# Altium PCB carrier.PcbDoc (part 1 of 5)
Units mm, origin at the board's own origin, x right, y up, seen from the top; angles counter-clockwise.
Board outline 140 x 87 mm, 4 copper layers (Component Side, Power_layer1, Power_layer2, Solder Side), stack 1.674 mm thick; 384 components, 416 nets, 1916 pads, 853 vias.
Unrouted connection lines stored in the file: 26.
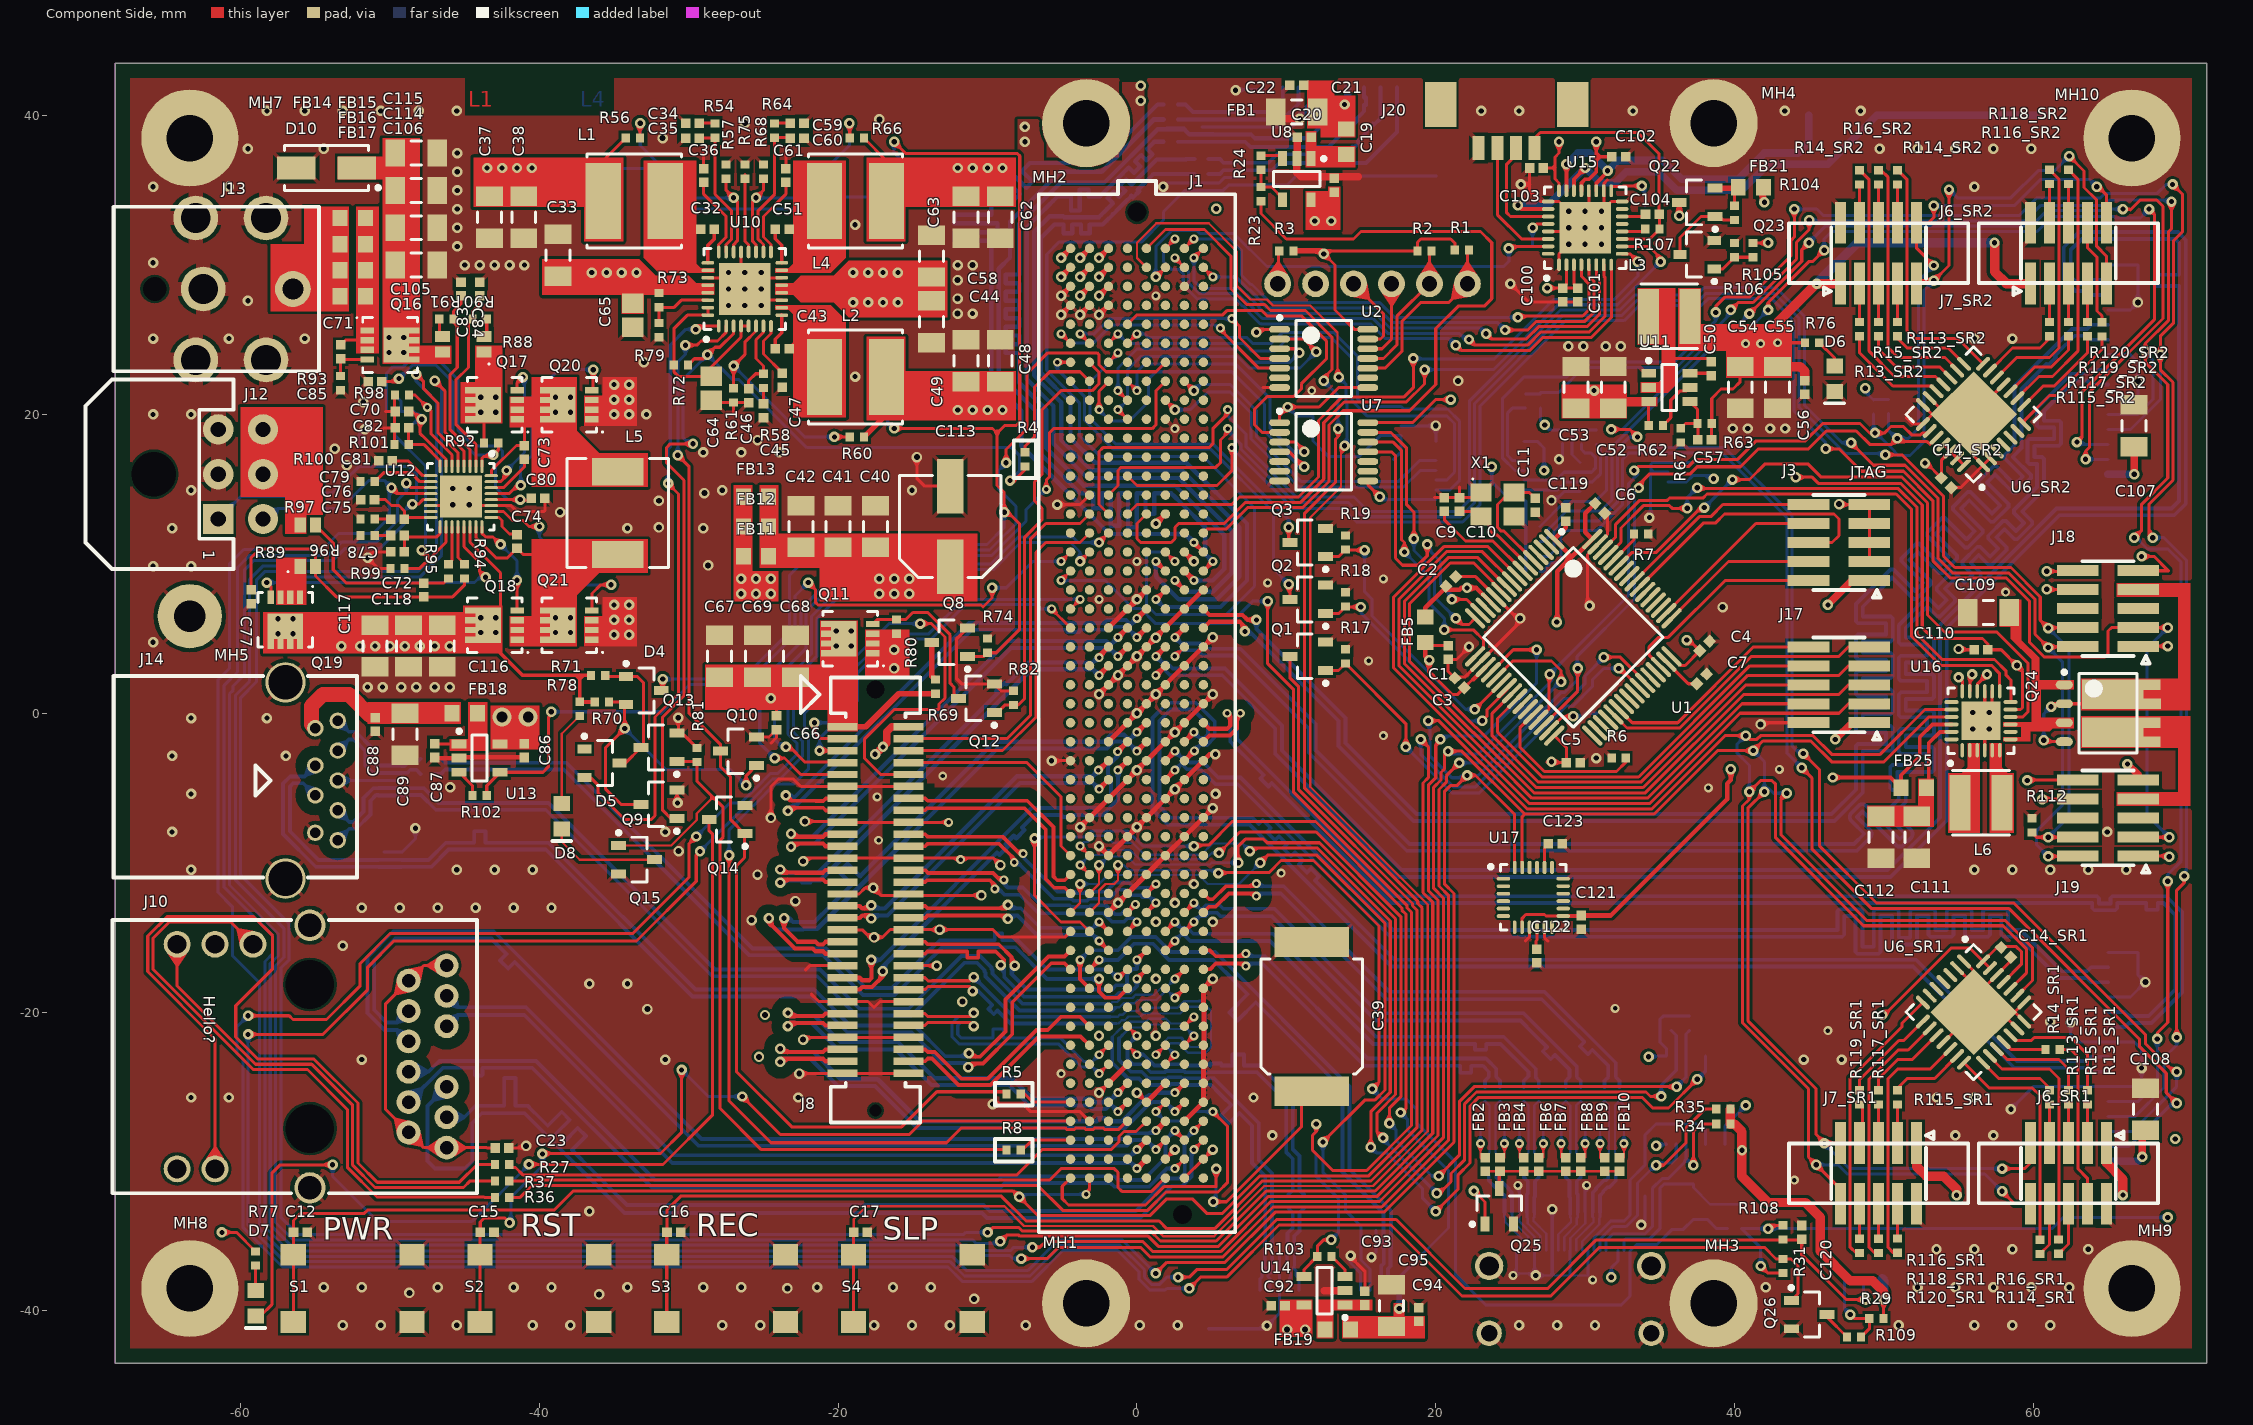
[diagram p0: Component Side view]
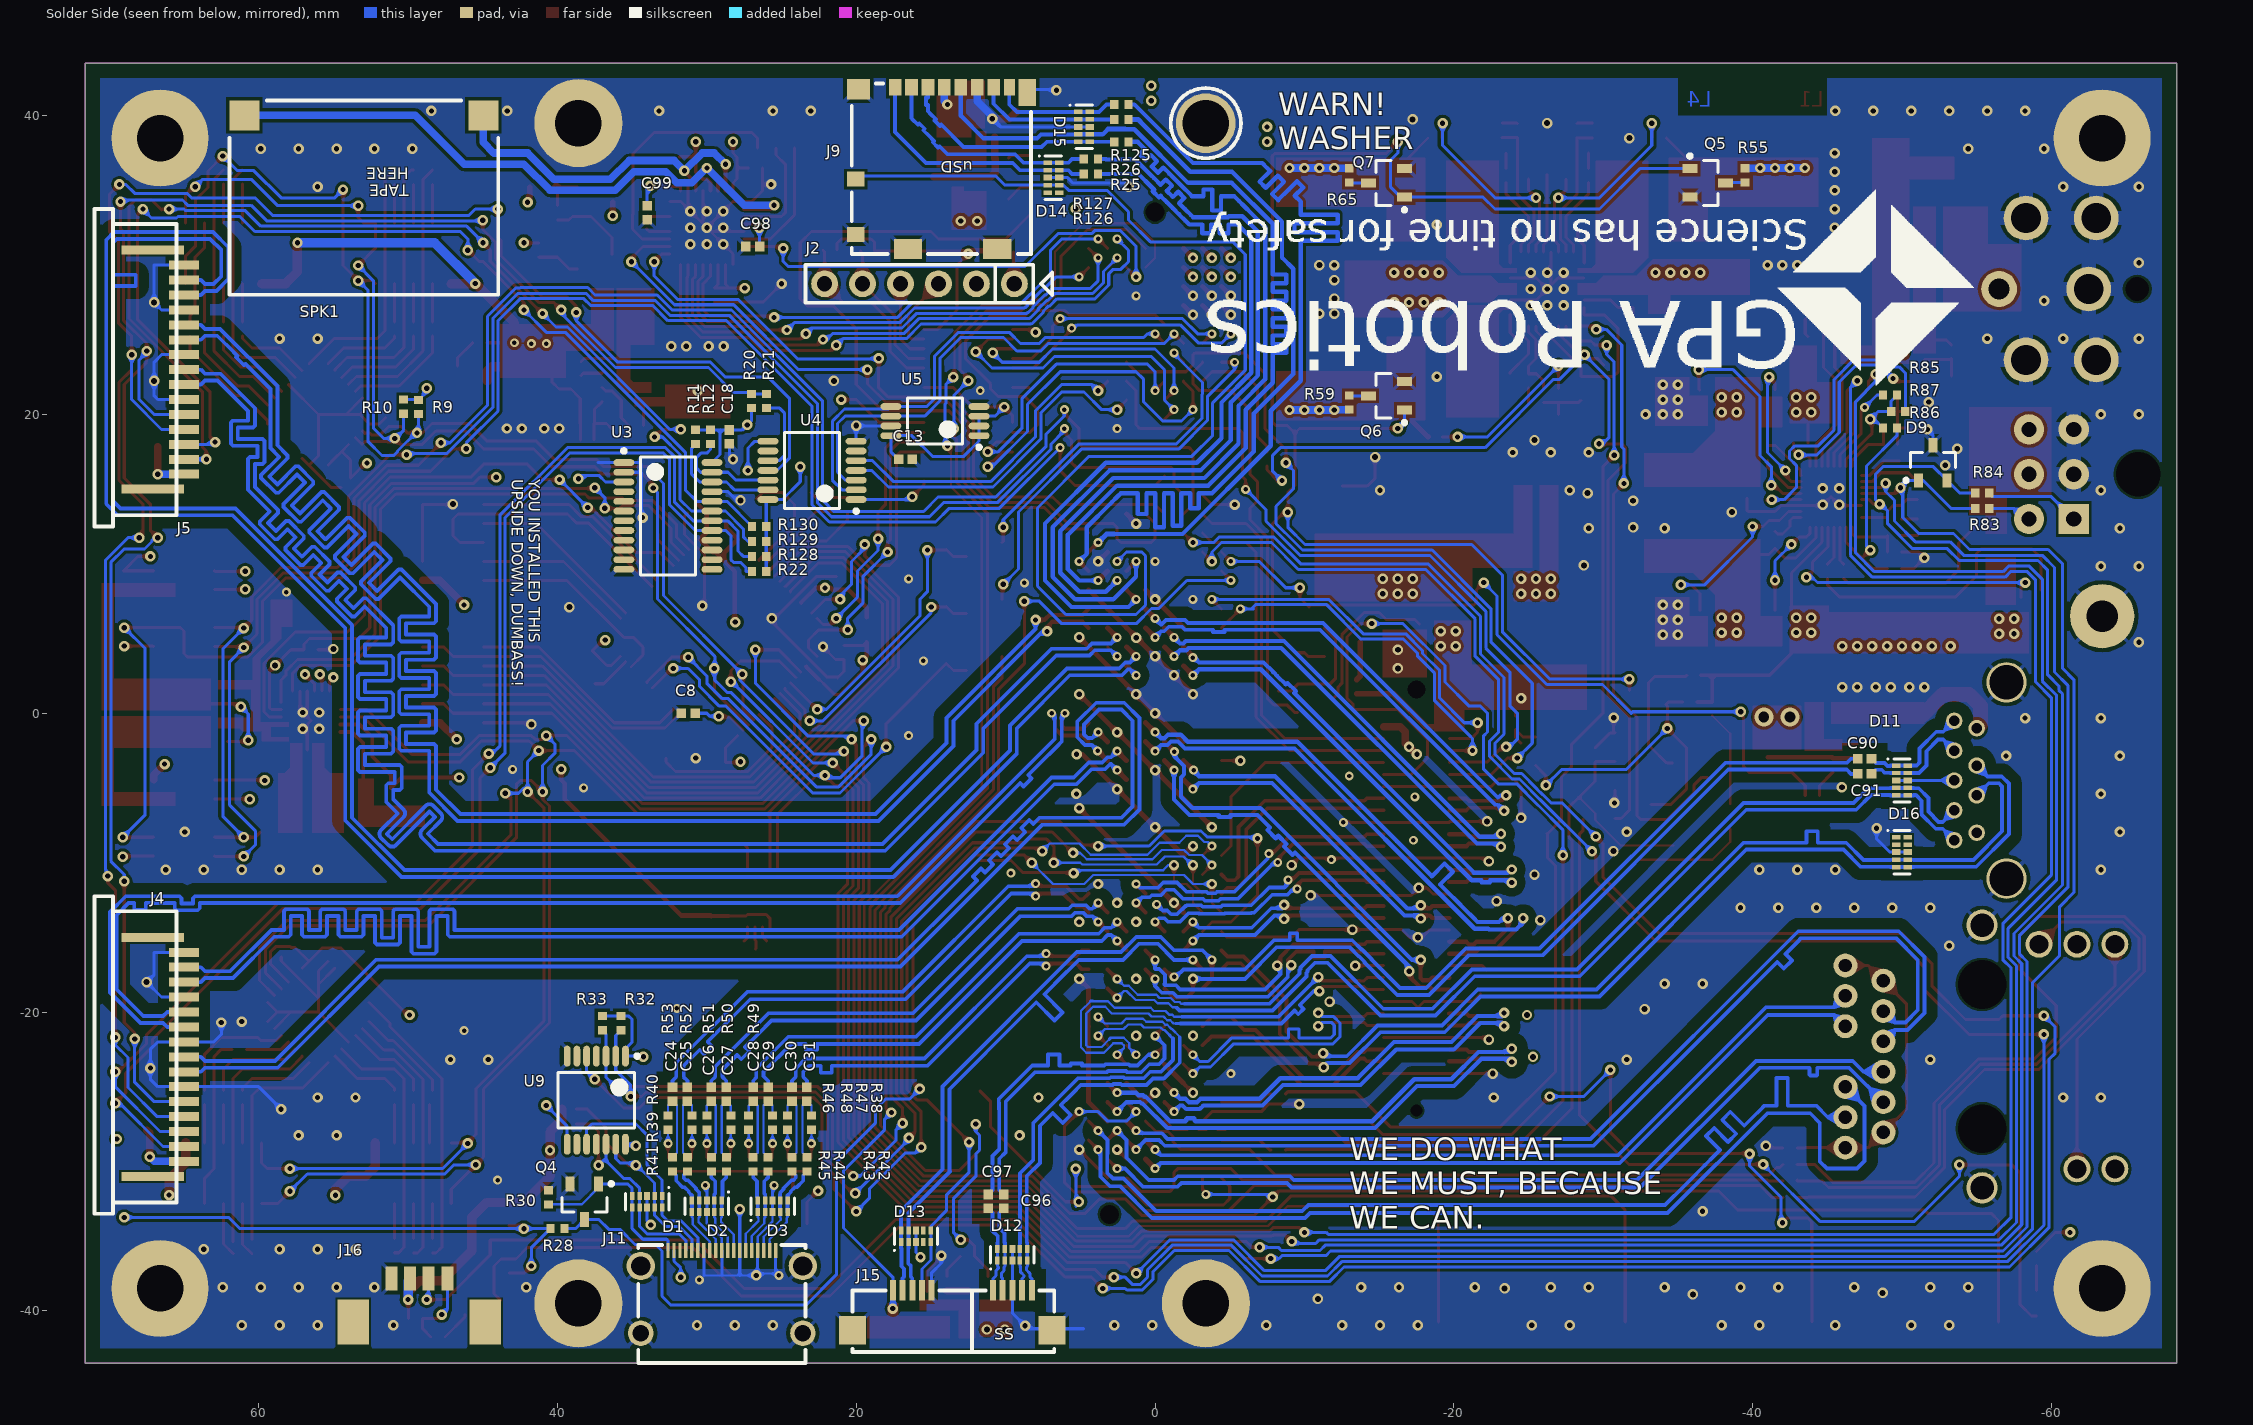
[diagram p1: Solder Side view, seen from below]
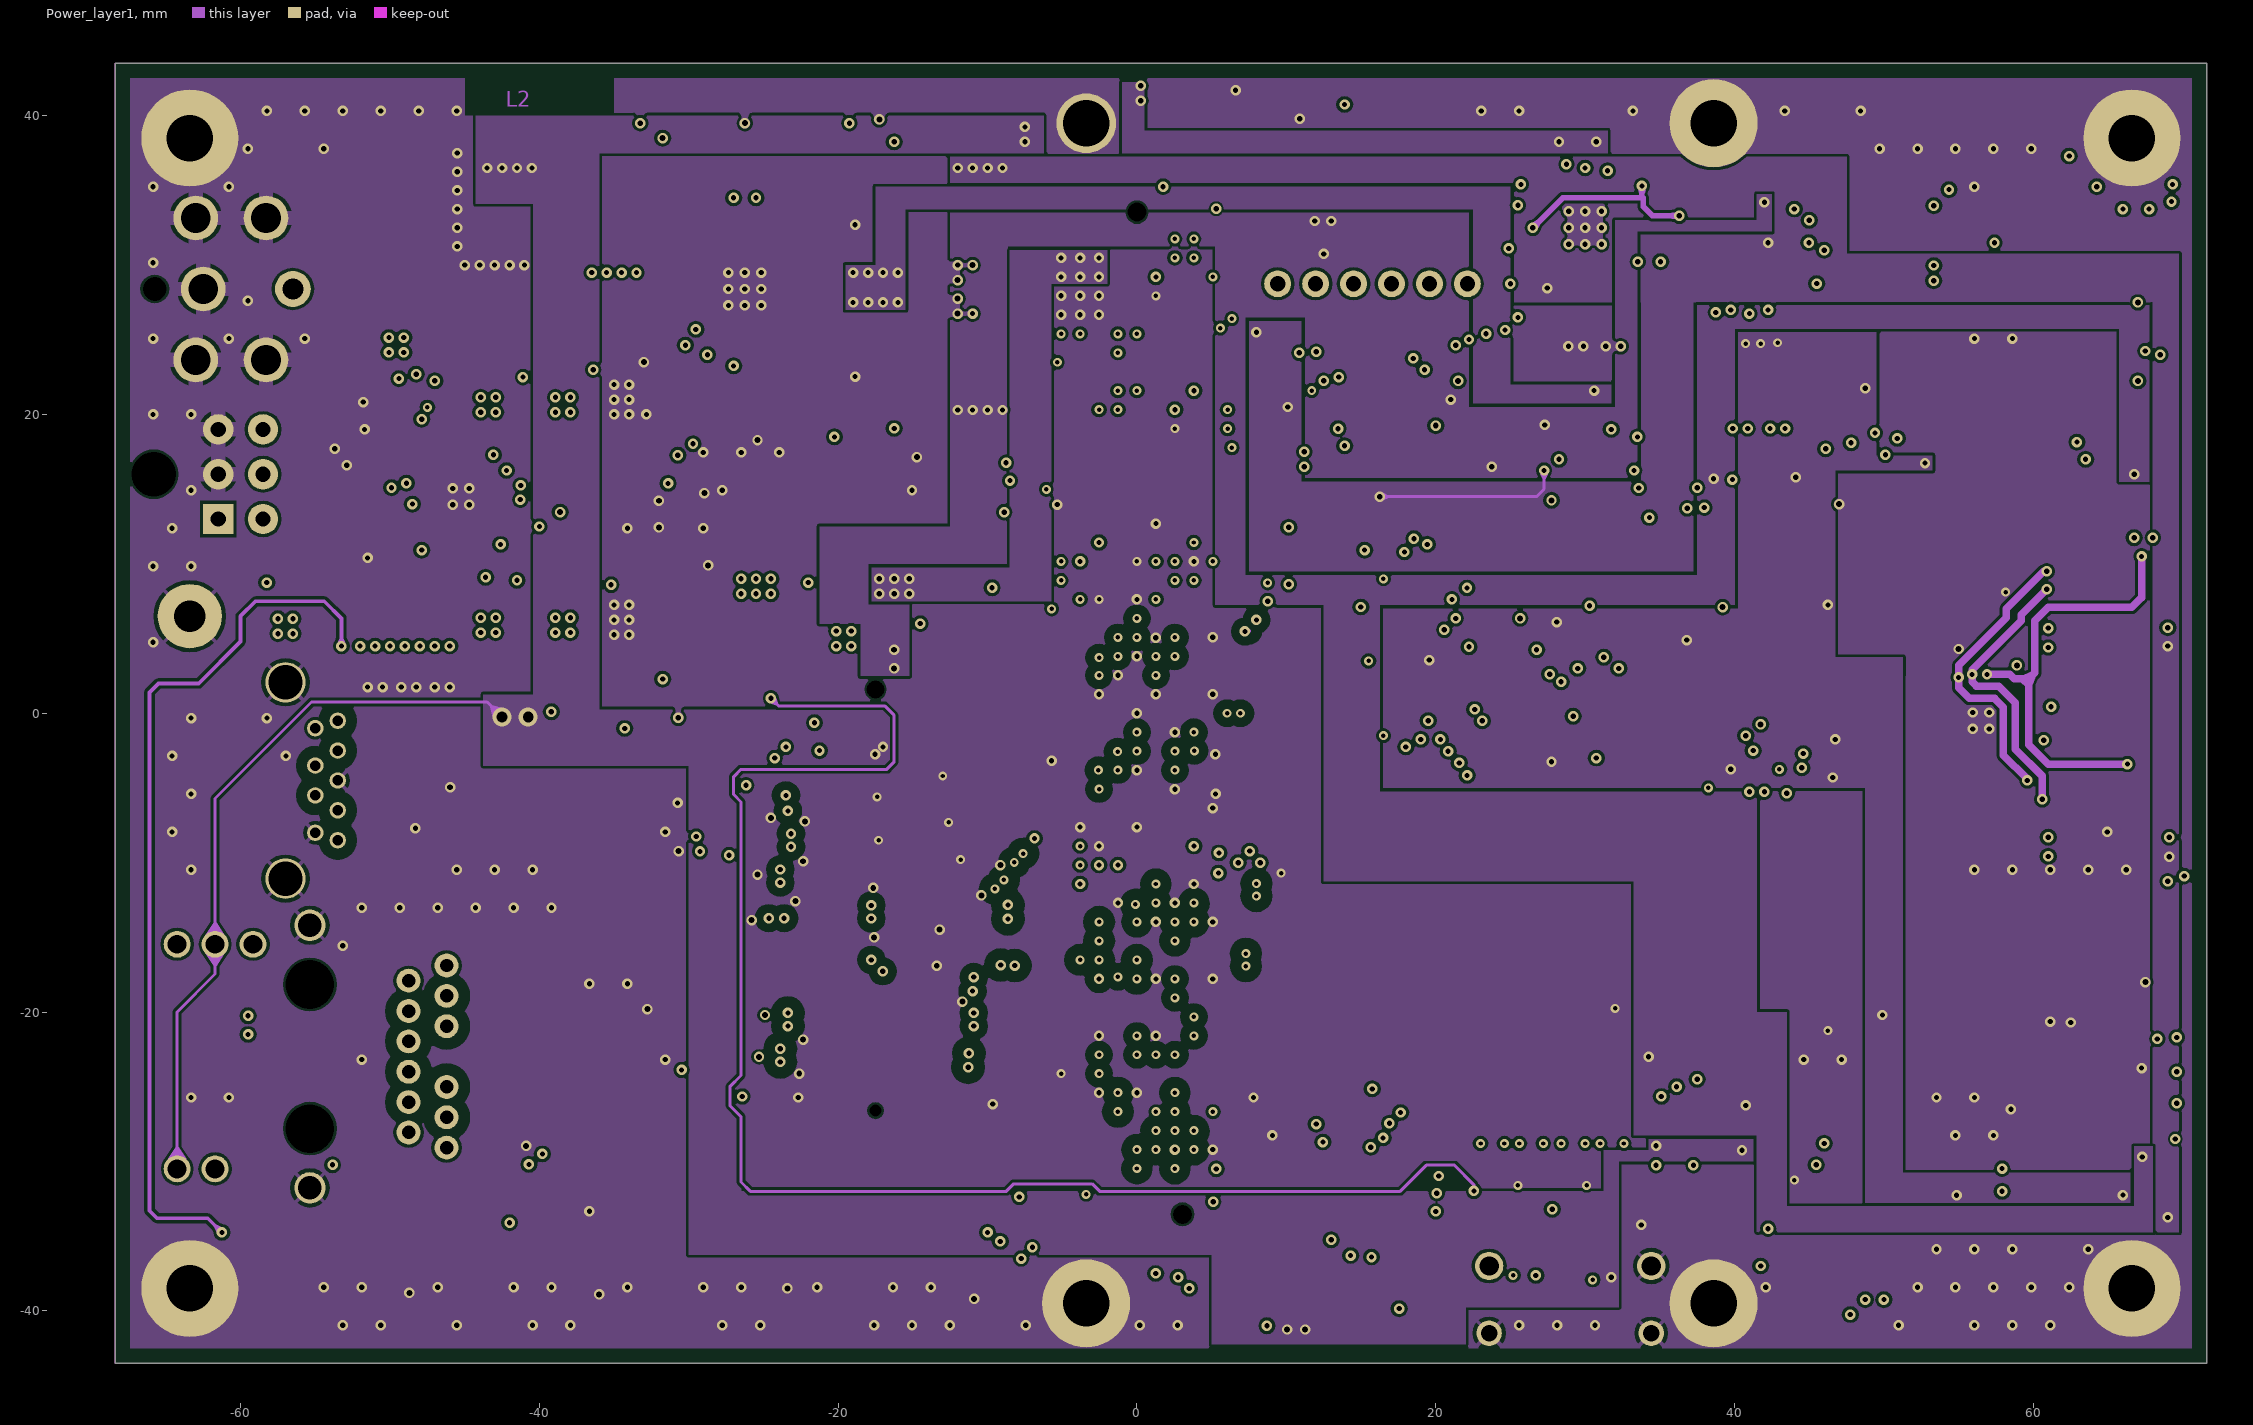
[diagram p2: Power_layer1]
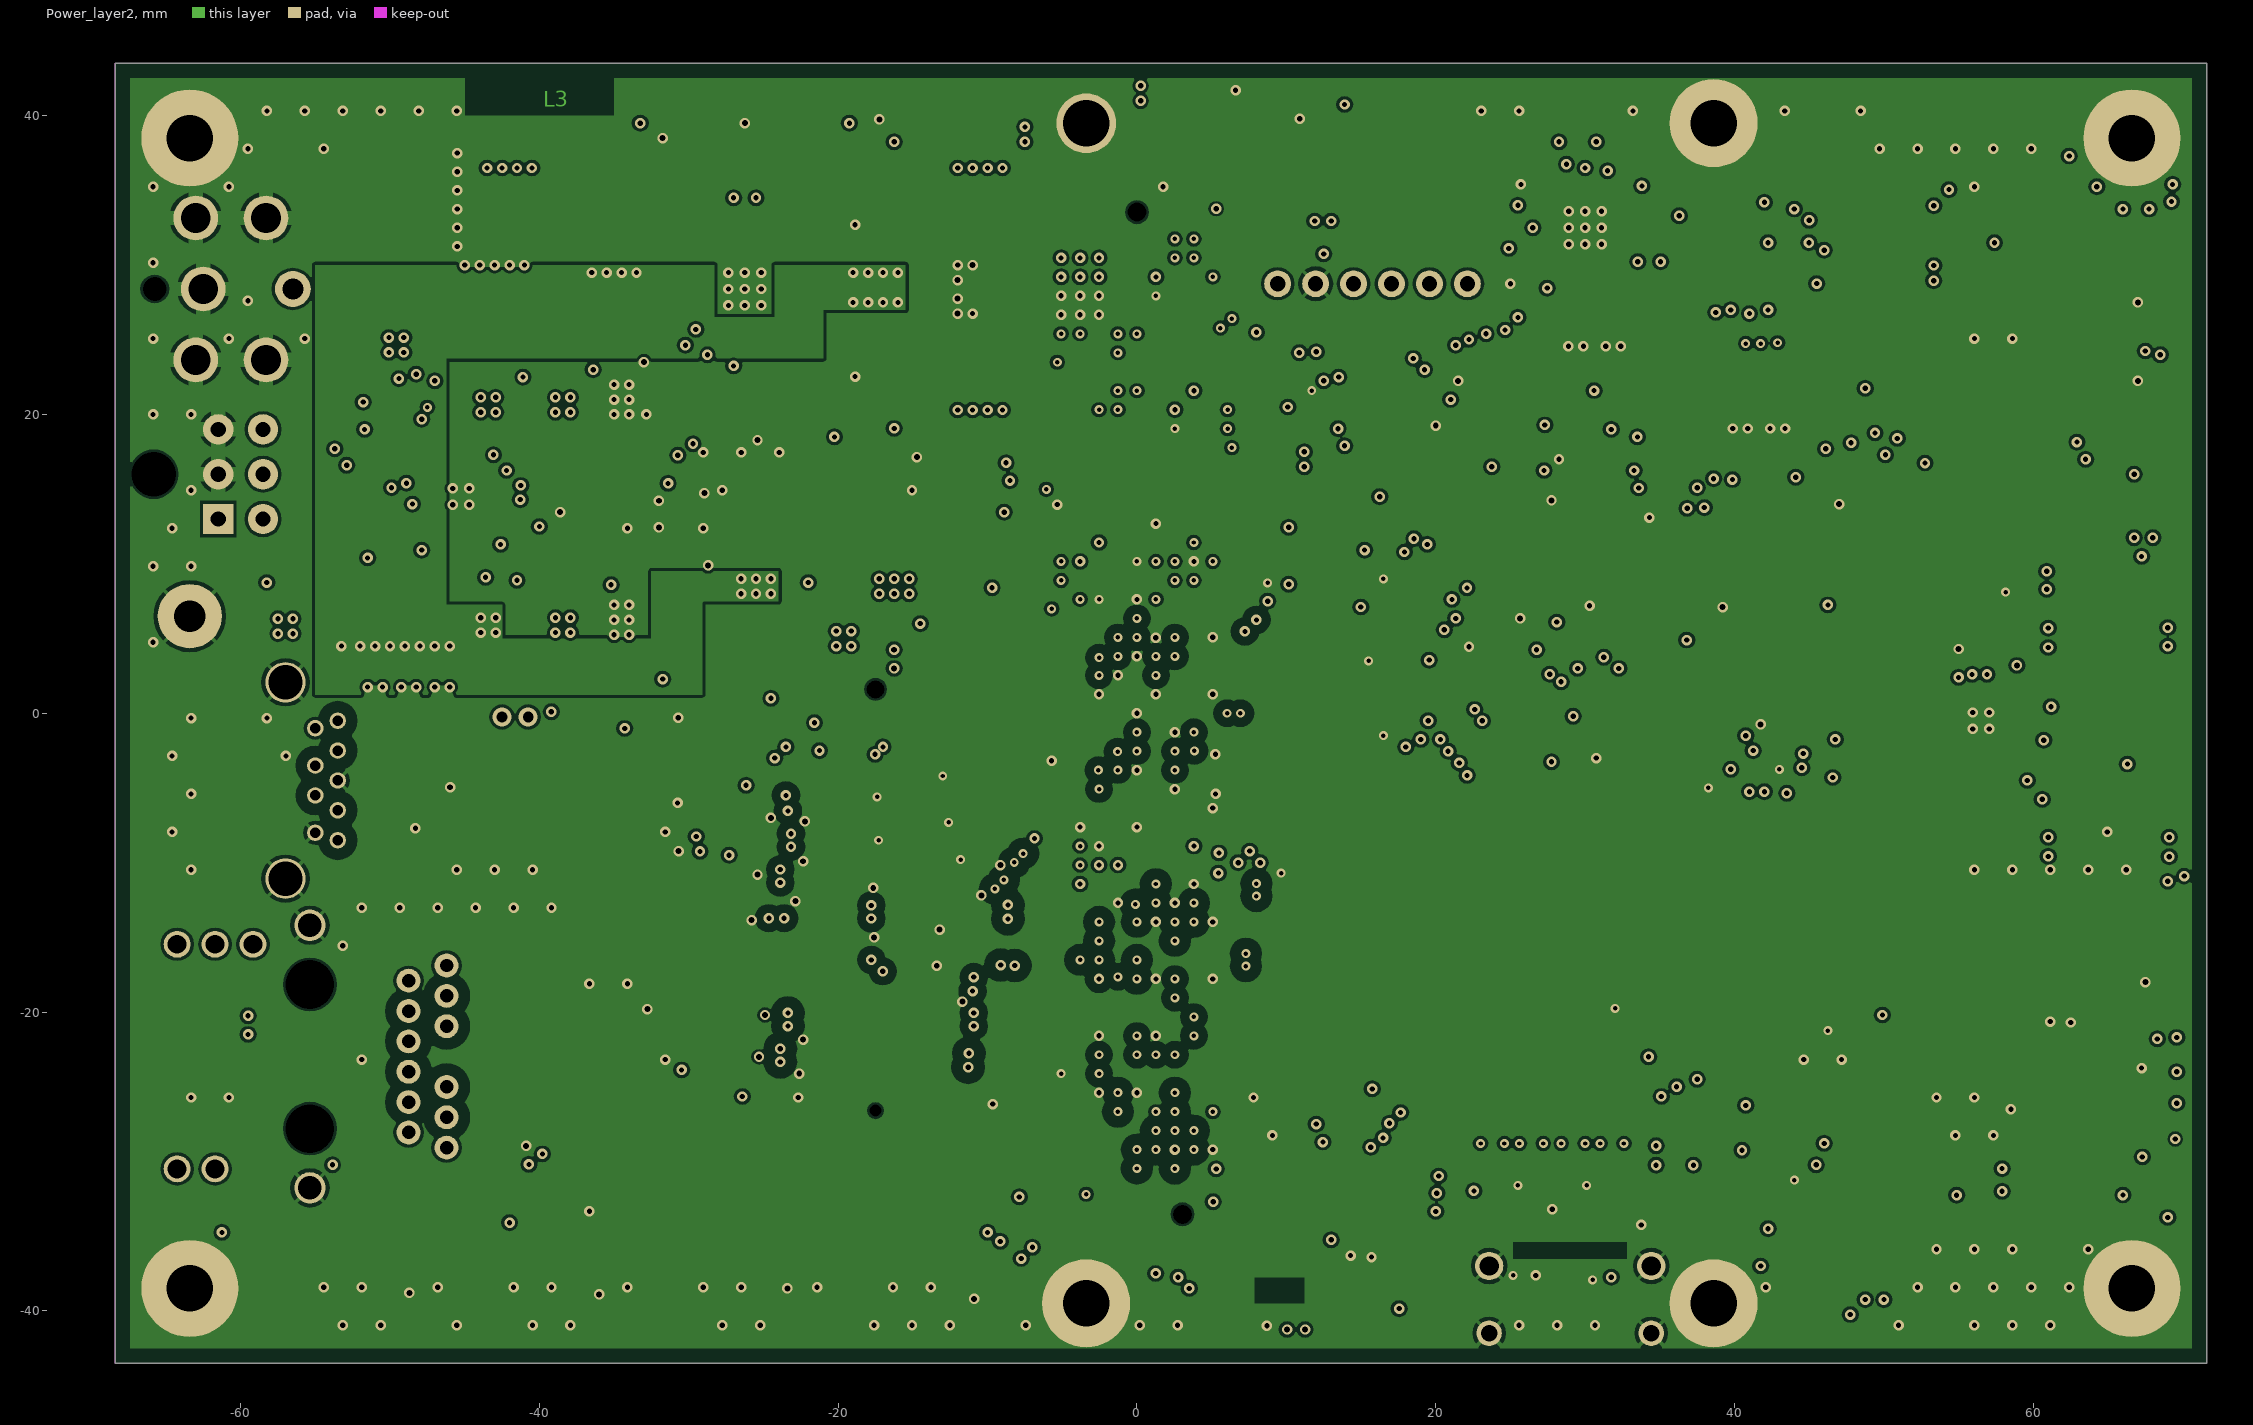
[diagram p3: Power_layer2]

## Layer stack, top to bottom
Top Solder: solder mask 0.0102, Solder Resist, Dk 3.5
Component Side: signal copper 0.035
Dielectric 1: prepreg 0.1702, FR-4, Dk 3.66
Power_layer1: signal copper 0.035
Dielectric 4: core 1.1938, FR-4, Dk 3.66
Power_layer2: signal copper 0.035
Dielectric 3: prepreg 0.1702, FR-4, Dk 3.66
Solder Side: signal copper 0.035
Bottom Solder: solder mask 0.0102, Solder Resist, Dk 3.5

## Board outline
-68.4,-43.5 71.6,-43.5 71.6,43.5 -68.4,43.5

## Design rules (kind name [scope] priority, off if disabled: settings)
BoardOutlineClearance [not OnSilkscreen and not OnMechanical] p1: gap=1 ignorepadtopadclearanceinfootprint=FALSE
Clearance "Stitching GND_DIFF" [IsStitchingVia and InNet('GND') vs InAnyDifferentialPair] p1: gap=0.762 ignorepadtopadclearanceinfootprint=FALSE
Clearance "Stitching GND" [IsStitchingVia and InNet('GND') vs (IsVia and (Not IsStitchingVia)) Or IsPad] p2: gap=0.254 ignorepadtopadclearanceinfootprint=FALSE
Clearance Clearance_usb3 [InDifferentialPairClass('usb_diff100') and not WithinRoom('NVM') vs InPolygon] p3: gap=0.762 ignorepadtopadclearanceinfootprint=FALSE except(0.381: Via-Fill Via-Poly Via-Region)
Clearance Clearance_csi [InDifferentialPairClass('csi_diff100') and not WithinRoom('NVM') vs InPolygon] p4: gap=0.762 ignorepadtopadclearanceinfootprint=FALSE except(0.381: Via-Fill Via-Poly Via-Region)
Clearance Clearance_diff [InAnyDifferentialPair and not WithinRoom('NVM') vs InPolygon] p5: gap=0.762 ignorepadtopadclearanceinfootprint=TRUE
Clearance [InNetClass('All Nets') vs InPolygon] p6: gap=0.203 ignorepadtopadclearanceinfootprint=FALSE
Clearance Clearance_2 [All] p7: gap=0.152 ignorepadtopadclearanceinfootprint=FALSE except(0.127: SMDPad-SMDPad)
Clearance Clearance_1 [IsBoardCutoutRegion vs InPolygon] p8: gap=0.75 ignorepadtopadclearanceinfootprint=FALSE
ComponentClearance ComponentClearance_1 [Identifier='P3310_asm'] p1: gap=-5 collisioncheckmode=3 verticalgap=-5 showdistances=FALSE
ComponentClearance [All] p2: gap=0.254 collisioncheckmode=3 verticalgap=0.254 showdistances=FALSE
DiffPairsRouting DiffPairsRouting_sata [InDifferentialPairClass('sata_diff')] p1: maxlimit=0.254 minlimit=0.152 mostfreqgap=0.239 toplayer_minwidth=0.152 toplayer_maxwidth=0.381 toplayer_prefwidth=0.248 midlayer1_minwidth=0.152 midlayer1_maxwidth=0.381 midlayer1_prefwidth=0.248 midlayer2_minwidth=0.152 midlayer2_maxwidth=0.381 midlayer2_prefwidth=0.248 bottomlayer_minwidth=0.152 bottomlayer_maxwidth=0.381 bottomlayer_prefwidth=0.248 maxuncoupledlength=12.7
DiffPairsRouting DiffPairsRouting_hdmi [InDifferentialPairClass('hdmi_diff95')] p2: maxlimit=0.254 minlimit=0.152 mostfreqgap=0.241 toplayer_minwidth=0.152 toplayer_maxwidth=0.254 toplayer_prefwidth=0.246 midlayer1_minwidth=0.152 midlayer1_maxwidth=0.254 midlayer1_prefwidth=0.246 midlayer2_minwidth=0.152 midlayer2_maxwidth=0.254 midlayer2_prefwidth=0.246 bottomlayer_minwidth=0.152 bottomlayer_maxwidth=0.254 bottomlayer_prefwidth=0.246 maxuncoupledlength=12.7
DiffPairsRouting DiffPairsRouting_usb3 [InDifferentialPairClass('usb_diff100')] p3: maxlimit=0.254 minlimit=0.152 mostfreqgap=0.203 toplayer_minwidth=0.152 toplayer_maxwidth=0.381 toplayer_prefwidth=0.254 midlayer1_minwidth=0.152 midlayer1_maxwidth=0.381 midlayer1_prefwidth=0.254 midlayer2_minwidth=0.152 midlayer2_maxwidth=0.381 midlayer2_prefwidth=0.254 bottomlayer_minwidth=0.152 bottomlayer_maxwidth=0.381 bottomlayer_prefwidth=0.254 maxuncoupledlength=6.29
DiffPairsRouting DiffPairsRouting_mdi [All] p4: maxlimit=0.508 minlimit=0.152 mostfreqgap=0.203 toplayer_minwidth=0.152 toplayer_maxwidth=0.508 toplayer_prefwidth=0.254 midlayer1_minwidth=0.152 midlayer1_maxwidth=0.508 midlayer1_prefwidth=0.254 midlayer2_minwidth=0.152 midlayer2_maxwidth=0.508 midlayer2_prefwidth=0.254 bottomlayer_minwidth=0.152 bottomlayer_maxwidth=0.508 bottomlayer_prefwidth=0.254 maxuncoupledlength=12.7
DiffPairsRouting DiffPairsRouting_csi [InDifferentialPairClass('csi_diff100')] p5: maxlimit=0.254 minlimit=0.152 mostfreqgap=0.203 toplayer_minwidth=0.152 toplayer_maxwidth=0.381 toplayer_prefwidth=0.254 midlayer1_minwidth=0.152 midlayer1_maxwidth=0.381 midlayer1_prefwidth=0.254 midlayer2_minwidth=0.152 midlayer2_maxwidth=0.381 midlayer2_prefwidth=0.254 bottomlayer_minwidth=0.152 bottomlayer_maxwidth=0.381 bottomlayer_prefwidth=0.254 maxuncoupledlength=12.7
DiffPairsRouting DiffPairsRouting_usb2 [InDifferentialPairClass('usb_diff90')] p6: maxlimit=0.254 minlimit=0.152 mostfreqgap=0.203 toplayer_minwidth=0.152 toplayer_maxwidth=0.381 toplayer_prefwidth=0.254 midlayer1_minwidth=0.152 midlayer1_maxwidth=0.381 midlayer1_prefwidth=0.254 midlayer2_minwidth=0.152 midlayer2_maxwidth=0.381 midlayer2_prefwidth=0.254 bottomlayer_minwidth=0.152 bottomlayer_maxwidth=0.381 bottomlayer_prefwidth=0.254 maxuncoupledlength=12.7
DiffPairsRouting [All] p7: maxlimit=0.254 minlimit=0.152 mostfreqgap=0.254 toplayer_minwidth=0.152 toplayer_maxwidth=0.381 toplayer_prefwidth=0.381 midlayer1_minwidth=0.152 midlayer1_maxwidth=0.381 midlayer1_prefwidth=0.381 midlayer2_minwidth=0.152 midlayer2_maxwidth=0.381 midlayer2_prefwidth=0.381 bottomlayer_minwidth=0.152 bottomlayer_maxwidth=0.381 bottomlayer_prefwidth=0.381 maxuncoupledlength=12.7
HoleSize [All] p1: absolutevalues=TRUE maxlimit=6.3 minlimit=0.3 maxpercent=80.000 minpercent=20.000
Length Length_dat2 [All] p1 off: maxlimit=56.8 minlimit=54.8
Length Length_dat3 [InNet('SDC_D3')] p2 off: maxlimit=59.8 minlimit=55.8
Length Length_dat1 [InNet('SDC_D1')] p3 off: maxlimit=64.75 minlimit=62.75
Length Length_dat0 [InNet('SDC_D0')] p4 off: maxlimit=65.72 minlimit=61.72
Length Length_cmd [InNet('SDC_CMD')] p5 off: maxlimit=59.53 minlimit=55.53
Length Length_clk [InNet('SDC_CLK')] p6 off: maxlimit=72.8 minlimit=72.6
MatchedLengths MatchedLengths_sata [InDifferentialPairClass('sata_diff')] p1: tolerance=0.15 checknetsindiffpair=TRUE checkdiffpairvsdiffpair=FALSE checkxsignals=FALSE checkothers=FALSE
MatchedLengths MatchedLengths_dp1 [InNet('DP0_D?_?')] p2: tolerance=22.5 checknetsindiffpair=FALSE checkdiffpairvsdiffpair=TRUE checkxsignals=TRUE checkothers=TRUE
MatchedLengths MatchedLengths_dp [InDifferentialPairClass('hdmi_diff95')] p3: tolerance=0.15 checknetsindiffpair=TRUE checkdiffpairvsdiffpair=FALSE checkxsignals=FALSE checkothers=FALSE
MatchedLengths MatchedLengths_csi1 [InNet('CSI0_*')] p4: tolerance=0.75 checknetsindiffpair=FALSE checkdiffpairvsdiffpair=TRUE checkxsignals=TRUE checkothers=TRUE
MatchedLengths MatchedLengths_csi4 [InNet('CSI3_*')] p5 off: tolerance=0.75 checknetsindiffpair=FALSE checkdiffpairvsdiffpair=TRUE checkxsignals=TRUE checkothers=TRUE
MatchedLengths MatchedLengths_csi3 [InNet('CSI2_*')] p6 off: tolerance=0.75 checknetsindiffpair=FALSE checkdiffpairvsdiffpair=TRUE checkxsignals=TRUE checkothers=TRUE
MatchedLengths MatchedLengths_csi2 [InNet('CSI1_*')] p7: tolerance=0.75 checknetsindiffpair=FALSE checkdiffpairvsdiffpair=TRUE checkxsignals=TRUE checkothers=TRUE
MatchedLengths MatchedLengths_csi [InDifferentialPairClass('csi_diff100')] p8: tolerance=0.15 checknetsindiffpair=TRUE checkdiffpairvsdiffpair=FALSE checkxsignals=FALSE checkothers=FALSE
MatchedLengths MatchedLengths_sdcard2 [InNet('SDCARD_*')] p9 off: tolerance=1 checknetsindiffpair=FALSE checkdiffpairvsdiffpair=TRUE checkxsignals=TRUE checkothers=TRUE
MatchedLengths MatchedLengths_sdcard [InNet('SDC_*') and not InNet('SDC_CLK')] p10 off: tolerance=1 checknetsindiffpair=FALSE checkdiffpairvsdiffpair=TRUE checkxsignals=TRUE checkothers=TRUE
MatchedLengths MatchedLengths_mdi [InDifferentialPairClass('mdi_diff')] p11: tolerance=0.15 checknetsindiffpair=TRUE checkdiffpairvsdiffpair=FALSE checkxsignals=FALSE checkothers=FALSE
MatchedLengths MatchedLengths_usb3 [InDifferentialPairClass('usb_diff100')] p12: tolerance=0.15 checknetsindiffpair=TRUE checkdiffpairvsdiffpair=FALSE checkxsignals=FALSE checkothers=FALSE
MatchedLengths MatchedLengths_usb2 [InDifferentialPair('USBM2_D') or InDifferentialPair('USB0_D') or InDifferentialPair('USB1_D')] p13: tolerance=1 checknetsindiffpair=TRUE checkdiffpairvsdiffpair=FALSE checkxsignals=FALSE checkothers=FALSE
MinimumAnnularRing [All] p1: minimumring=0.15
MinimumSolderMaskSliver [All] p1: minsoldermaskwidth=0.102
PlaneClearance PlaneClearance_usb [IsDifferentialPair] p1: clearance=2.54
PlaneClearance [All] p2: clearance=0.508
PolygonConnect PolygonConnect_pwr [All vs InComponent('J13') or InComponent('J12')] p1: thpad.connectstyle=Relief thpad.reliefconductorwidth=1 thpad.reliefentries=4 thpad.polygonreliefangle="90 Angle" thpad.airgapwidth=0.254 smdpad.connectstyle=Relief smdpad.reliefconductorwidth=0.254 smdpad.reliefentries=4 smdpad.polygonreliefangle="90 Angle" smdpad.airgapwidth=0.254 via.connectstyle=Relief via.reliefconductorwidth=0.254 via.reliefentries=4 via.polygonreliefangle="90 Angle" via.airgapwidth=0.254
PolygonConnect PolygonConnect_decouple [All vs HasFootprint('C3216[1206]')] p2: thpad.connectstyle=Relief thpad.reliefconductorwidth=0.254 thpad.reliefentries=4 thpad.polygonreliefangle="90 Angle" thpad.airgapwidth=0.254 smdpad.connectstyle=Direct smdpad.reliefconductorwidth=0.254 smdpad.reliefentries=4 smdpad.polygonreliefangle="90 Angle" smdpad.airgapwidth=0.254 via.connectstyle=Relief via.reliefconductorwidth=0.254 via.reliefentries=4 via.polygonreliefangle="90 Angle" via.airgapwidth=0.254
PolygonConnect PolygonConnect_via [IsVia] p3: thpad.connectstyle=Relief thpad.reliefconductorwidth=0.254 thpad.reliefentries=4 thpad.polygonreliefangle="90 Angle" thpad.airgapwidth=0.254 smdpad.connectstyle=Relief smdpad.reliefconductorwidth=0.254 smdpad.reliefentries=4 smdpad.polygonreliefangle="90 Angle" smdpad.airgapwidth=0.254 via.connectstyle=Direct via.reliefconductorwidth=0.254 via.reliefentries=4 via.polygonreliefangle="90 Angle" via.airgapwidth=0.254
PolygonConnect PolygonConnect_mount [HasFootprint('m3_pan_tight_round')] p4: thpad.connectstyle=Direct thpad.reliefconductorwidth=0.254 thpad.reliefentries=4 thpad.polygonreliefangle="90 Angle" thpad.airgapwidth=0.254 smdpad.connectstyle=Relief smdpad.reliefconductorwidth=0.254 smdpad.reliefentries=4 smdpad.polygonreliefangle="90 Angle" smdpad.airgapwidth=0.254 via.connectstyle=Relief via.reliefconductorwidth=0.254 via.reliefentries=4 via.polygonreliefangle="90 Angle" via.airgapwidth=0.254
PolygonConnect [All] p5: connectstyle=Relief reliefconductorwidth=0.254 reliefentries=4 polygonreliefangle="45 Angle" airgapwidth=0.254
RoutingVias RoutingVias_hdmi [InDifferentialPairClass('hdmi_diff95')] p1: holewidth=0.3 width=0.6 viastyle="Through Hole" minholewidth=0.3 minwidth=0.6 maxholewidth=6.604 maxwidth=1
RoutingVias [All] p2: holewidth=0.35 width=0.7 viastyle="Through Hole" minholewidth=0.2 minwidth=0.55 maxholewidth=1 maxwidth=2
SolderMaskExpansion [All] p1: expansion=0.064
Width Width_50ohm [InNetClass('50ohm')] p1: maxlimit=0.508 minlimit=0.254 preferedwidth=0.343
Width [All] p2: maxlimit=2 minlimit=0.152 preferedwidth=0.203
25 further rules are at their usual default settings.
